# Altium PCB Modified.PcbDoc (part 1 of 3)
Units mm, origin at the board's own origin, x right, y up, seen from the top; angles counter-clockwise.
Board outline 130 x 95 mm, 2 copper layers (Top Layer, Bottom Layer), stack 1.671 mm thick; 165 components, 139 nets, 629 pads, 566 vias.
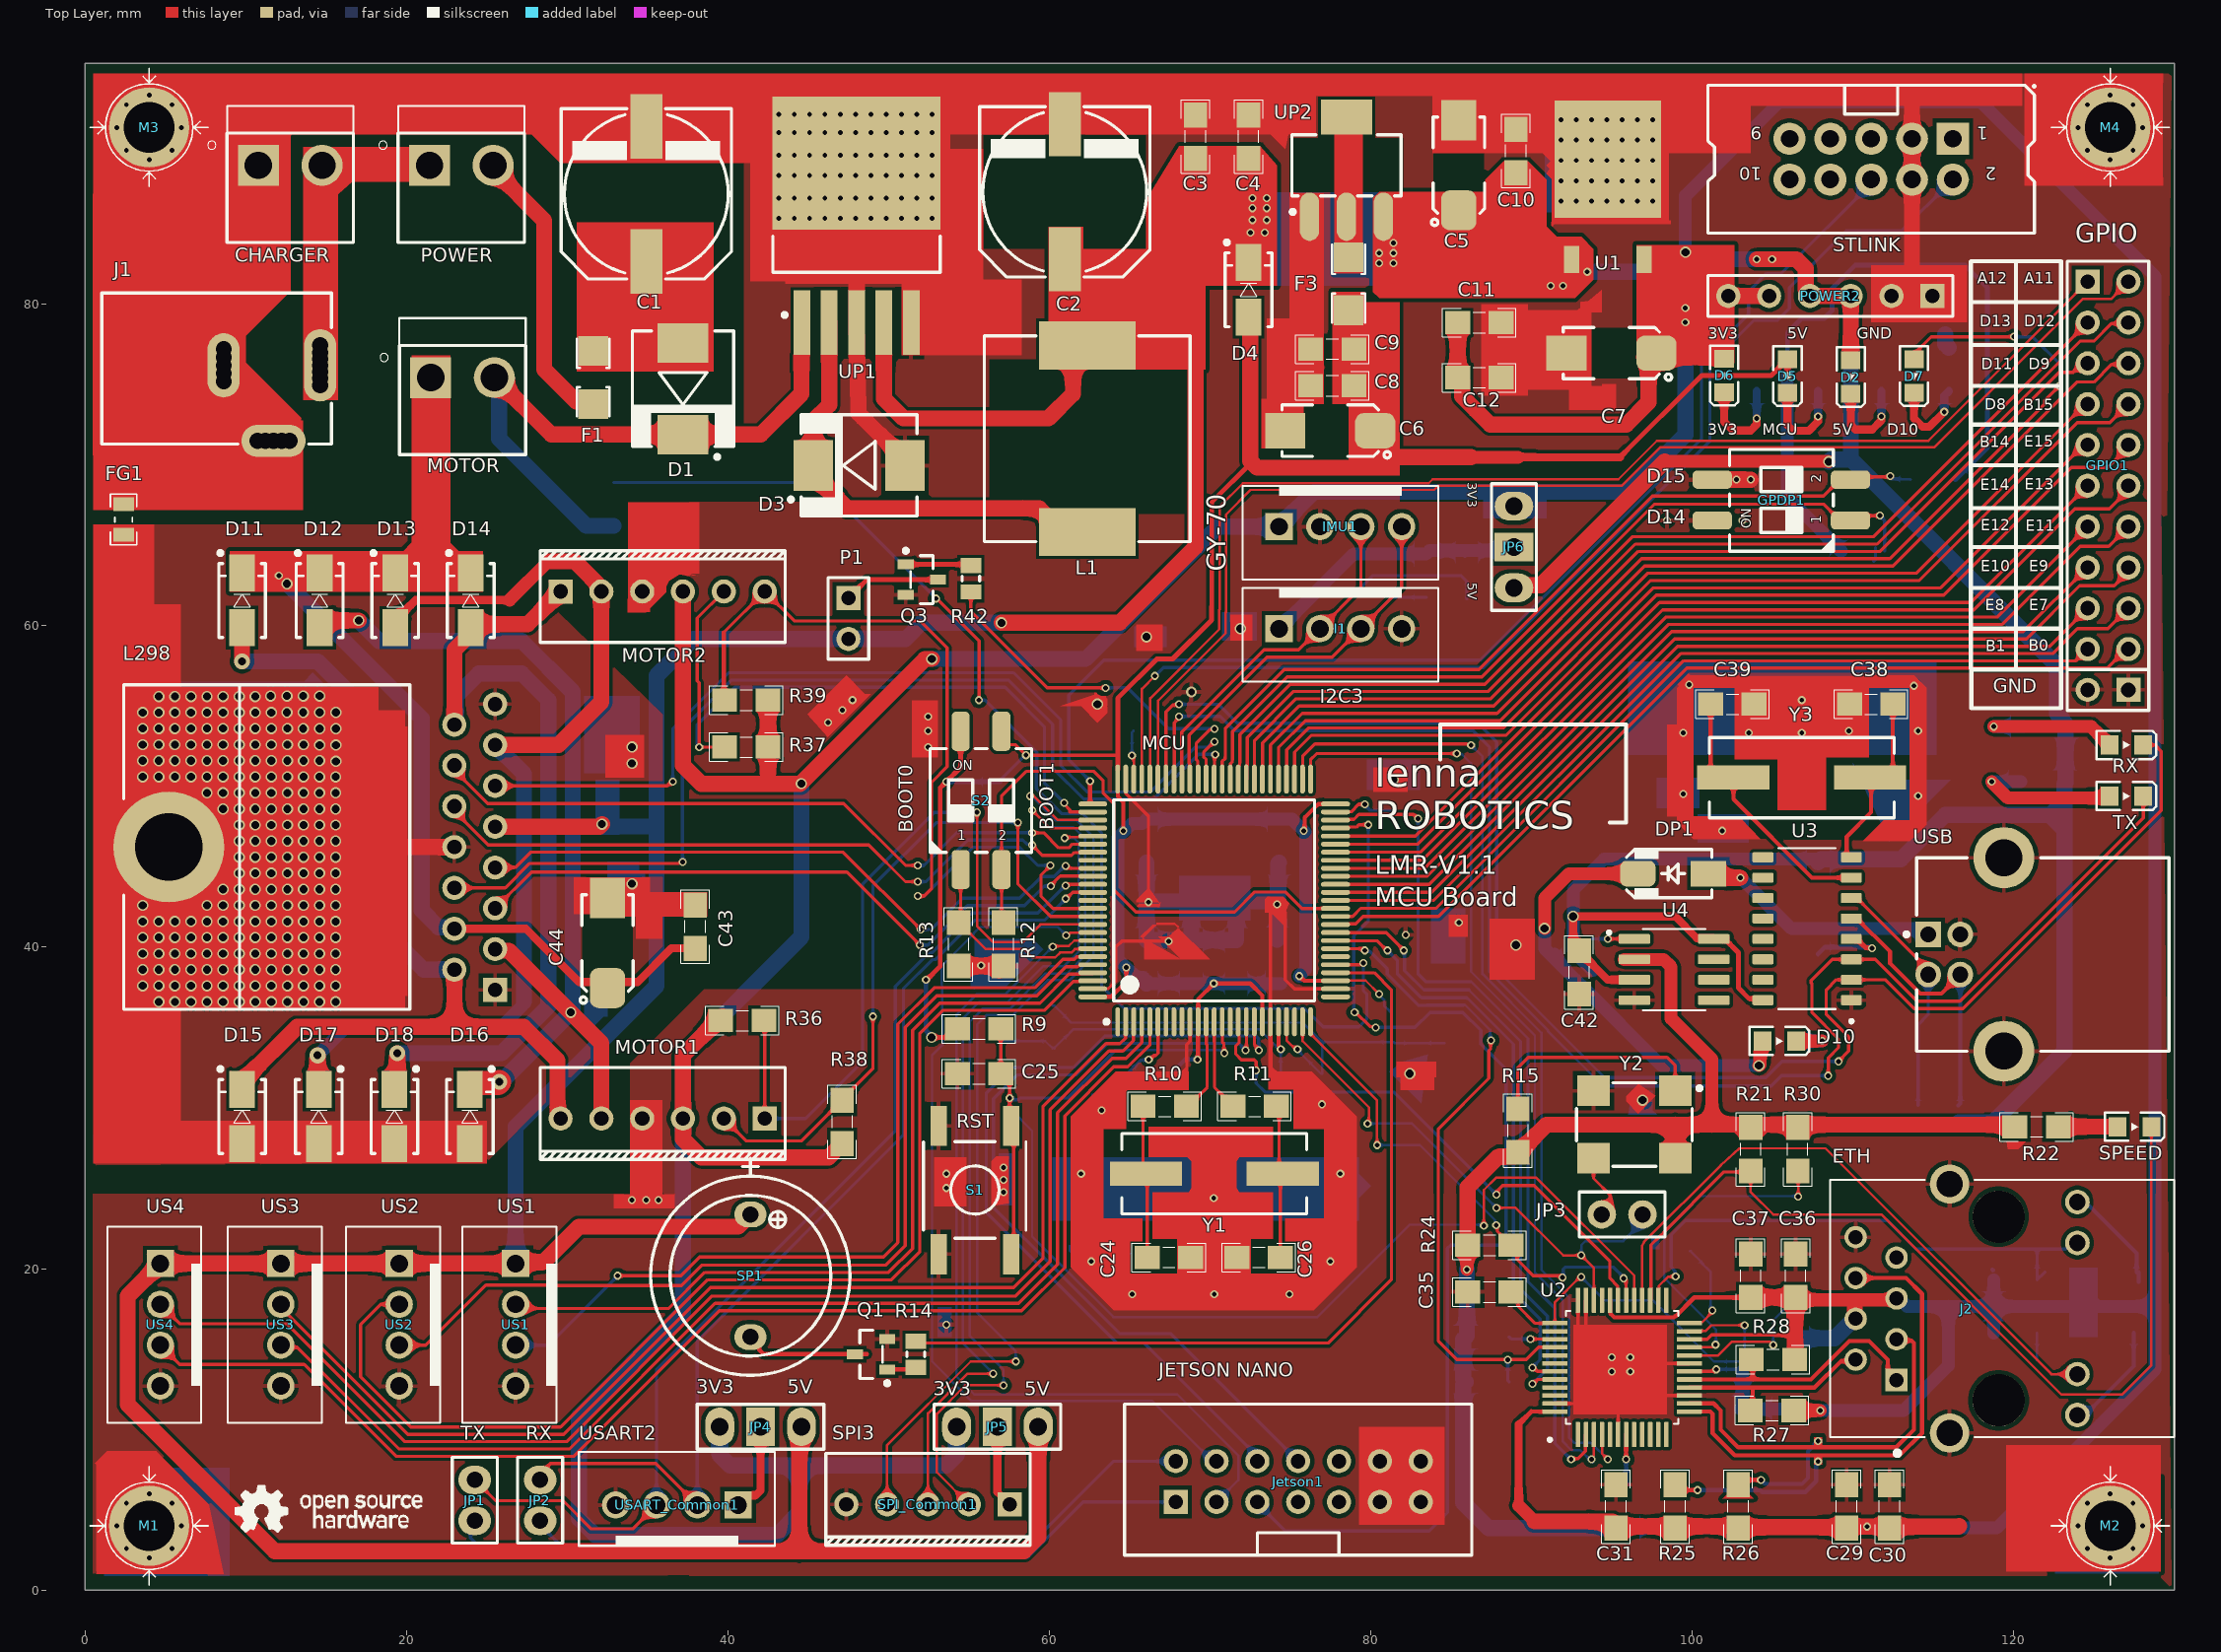
[diagram p0: Top Layer view]
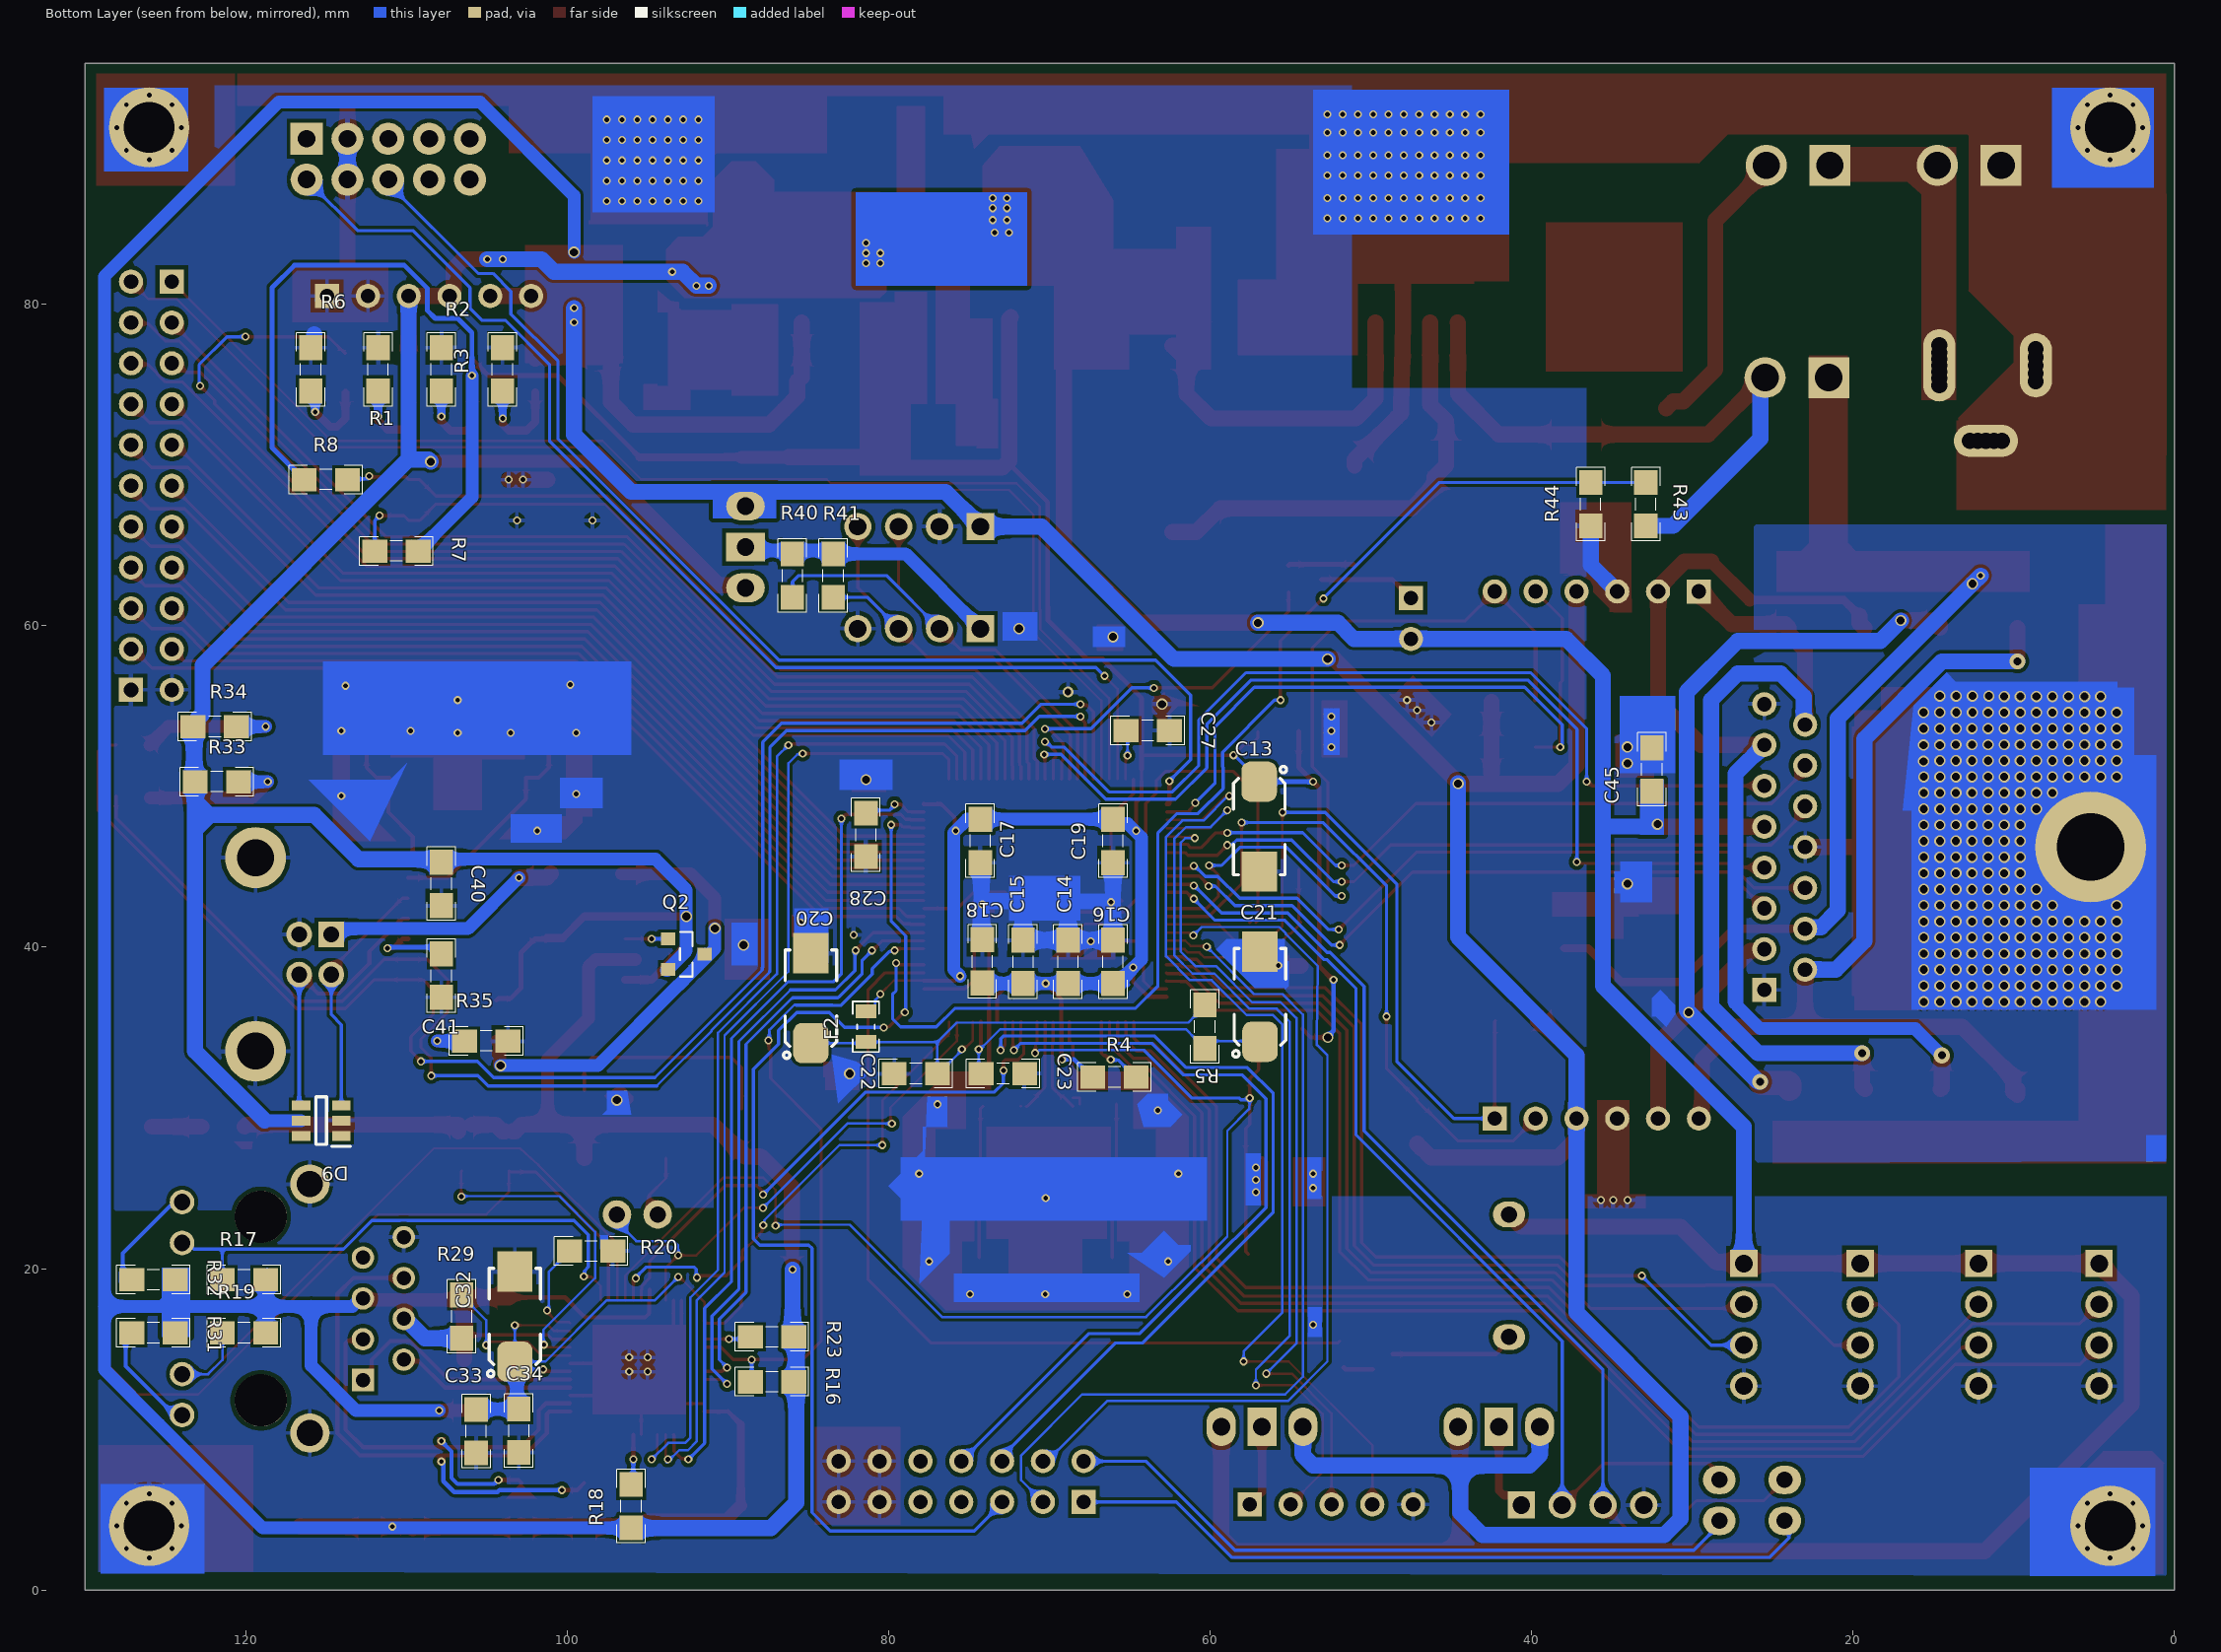
[diagram p1: Bottom Layer view, seen from below]
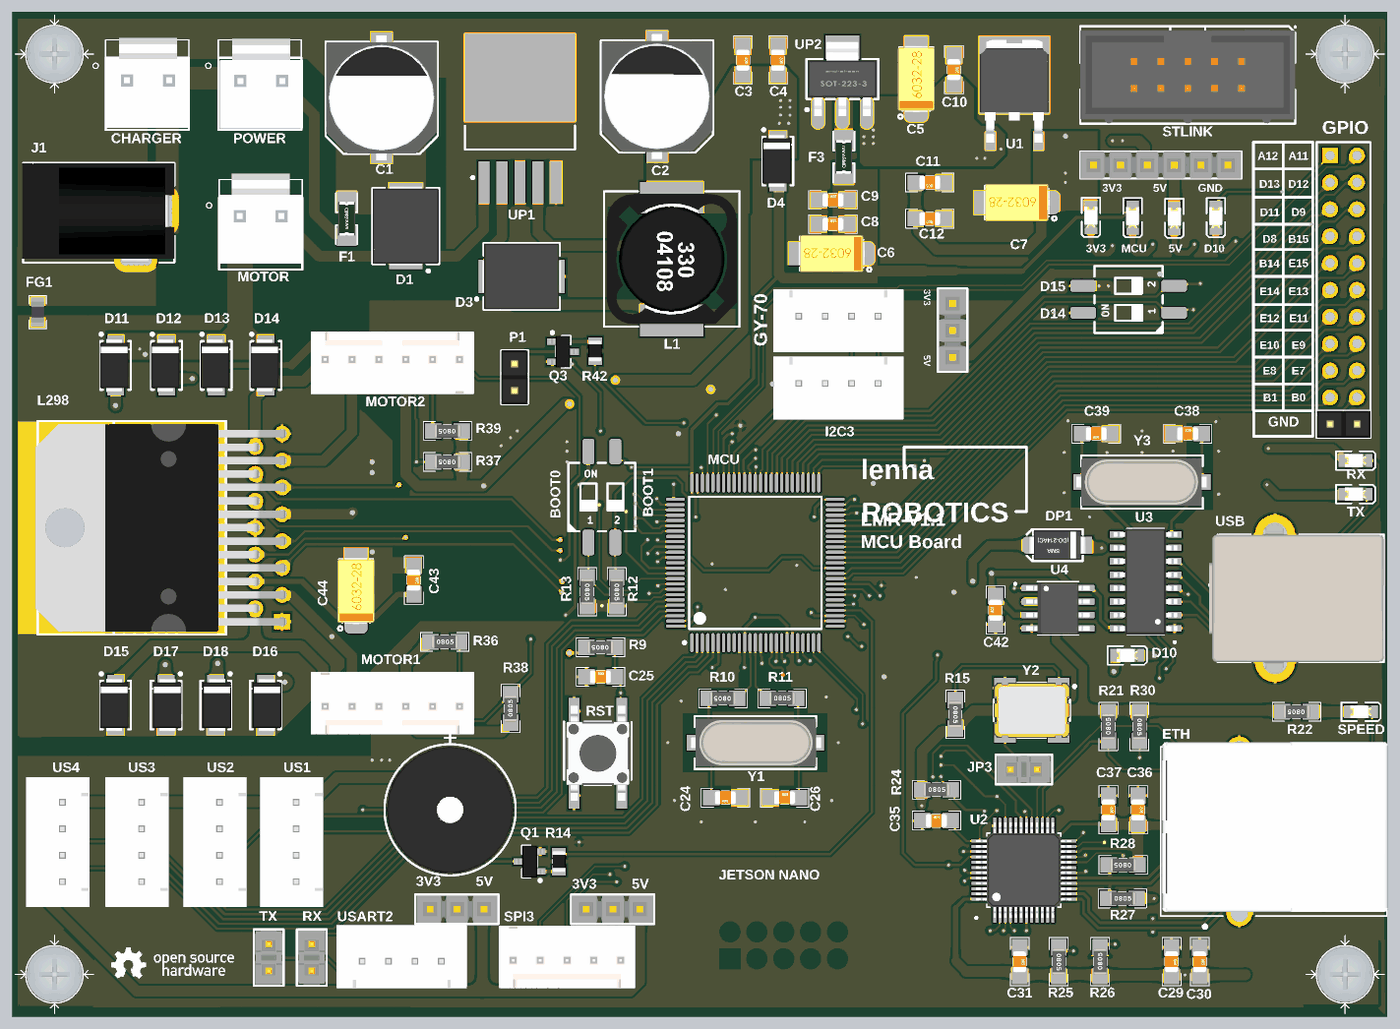
[diagram p4: 3D render of the assembled board from above, using the file's embedded part models]
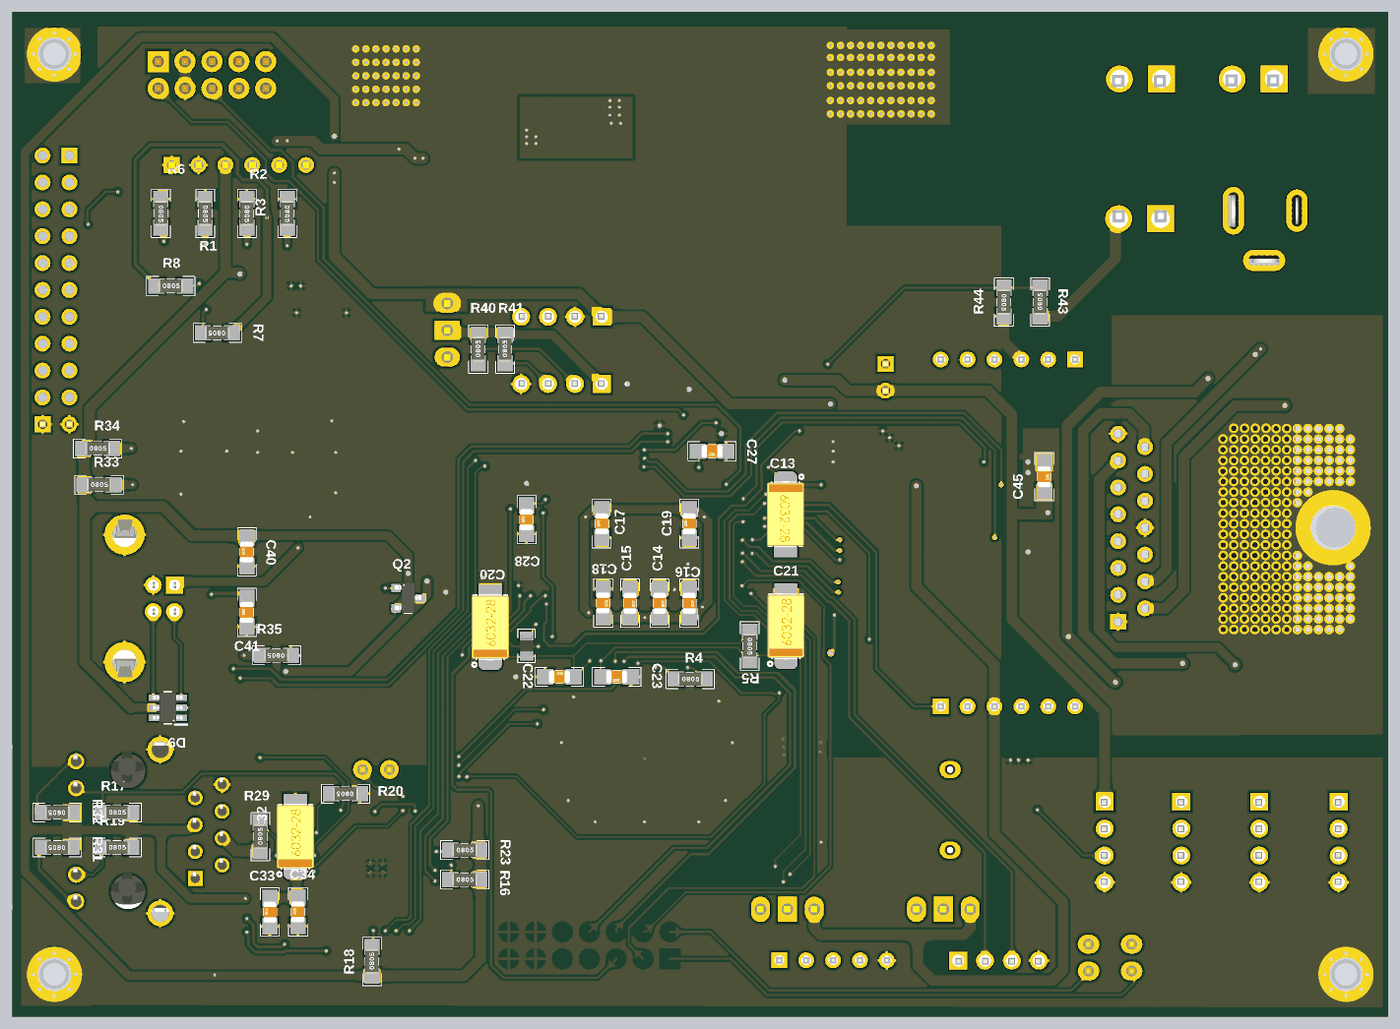
[diagram p5: 3D render of the assembled board from below, using the file's embedded part models]

## Layer stack, top to bottom
Top Solder: solder mask 0.0102, Solder Resist, Dk 3.5
Top Layer: signal copper 0.0356
Dielectric 1: dielectric 1.6, FR-4, Dk 4.8
Bottom Layer: signal copper 0.0356
Bottom Solder: solder mask 0.0102, Solder Resist, Dk 3.5

## Board outline
0,0 0,95 130,95 130,0

## Design rules (kind name [scope] priority, off if disabled: settings)
Clearance [All] p1: gap=0.254 ignorepadtopadclearanceinfootprint=FALSE except(0: Arc-Hole Track-Hole SMDPad-Hole THPad-Hole Via-Hole Fill-Hole Poly-Hole Region-Hole Text-Hole; 0.127: SMDPad-SMDPad; 0.17: Arc-SMDPad Track-SMDPad; 0.2: Arc-Fill Arc-Poly Arc-Region Track-Fill Track-Poly Track-Region SMDPad-Fill SMDPad-Poly SMDPad-Region)
DiffPairsRouting [All] p1: maxlimit=0.254 minlimit=0.254 mostfreqgap=0.254 toplayer_minwidth=0.254 toplayer_maxwidth=0.381 toplayer_prefwidth=0.254 bottomlayer_minwidth=0.254 bottomlayer_maxwidth=0.381 bottomlayer_prefwidth=0.254 maxuncoupledlength=12.7
PolygonConnect [All] p1: connectstyle=Relief reliefconductorwidth=0.254 reliefentries=4 polygonreliefangle="90 Angle" airgapwidth=0.254
RoutingVias [All] p1: holewidth=0.3 width=0.5 viastyle="Through Hole" minholewidth=0.2 minwidth=0.4 maxholewidth=0.711 maxwidth=1
SolderMaskExpansion [All] p1: expansion=0.102 istentingtop=FALSE
Width [All] p1: maxlimit=3 minlimit=0.15 preferedwidth=0.254 minimp=50.000000 maximp=50.000000 favimp=50.000000
29 further rules are at their usual default settings.

## Classes and differential pairs
component class Prepherals: I1 IMU1 JP4 JP5 JP6 R40 R41 SPI_Common1 US1 US2 US3 US4 USART_Common1
component class L298: C43 C44 C45 D11 D12 D13 D14 D15 D16 D17 D18 L298 MOTOR MOTOR1 MOTOR2 R36 R37 R38 R39
component class USB2Serial: C38 C39 C40 C41 C42 D9 D10 DP1 Q2 R33 R34 R35 RX TX U3 U4 USB Y3
component class Power_1: C1 C2 C3 C4 C5 C6 C7 C8 C9 C10 C11 C12 CHARGER D1 D2 D3 D4 D5 D6 F1 F3 FG1 J1 L1 M1 M2 M3 M4 POWER R1 R2 R3 U1 UP1 UP2
component class Micro: C13 C14 C15 C16 C17 C18 C19 C20 C21 C22 C23 C24 C25 C26 C27 C28 D7 F2 GND GPDP1 GPIO1 Jetson1 JP1 JP2 MCU P1 POWER2 Q1 Q3 R4 R5 R6 R7 R8 R9 R10 R11 R12 R13 R14 R42 R43 R44 S1 S2 SP1 STLINK Y1
component class ETHERNET: C29 C30 C31 C32 C33 C34 C35 C36 C37 ETH J2 JP3 R15 R16 R17 R18 R19 R20 R21 R22 R23 R24 R25 R26 R27 R28 R29 R30 R31 R32 SPEED U2 Y2
differential pair TD: +TD_P -TD_N
differential pair RD: +RD_P -RD_N

## Components (designator, comment, footprint, x,y, rotation, side; value= is the part's Value field where it differs from the comment)
C1 "100uF" C_EL_10_10 34.925,86.868 r90 top
C2 "100uF" C_EL_10_10 60.96,86.995 r90 top
C3 "0.1uF" CAPC3413X12N 69.088,90.424 r270 top
C4 "10nF" CAPC3413X12N 72.39,90.424 r270 top
C5 "10uF" C_TN_6032 85.471,88.646 r90 top
C6 "10uF" C_TN_6032 77.47,72.136 r180 top
C7 "2.2uF" C_TN_6032 94.963,76.962 r180 top
C8 "0.1uF" CAPC3413X12N 77.597,74.93 r0 top
C9 "10nF" CAPC3413X12N 77.597,77.216 r0 top
C10 "0.1uF" CAPC3413X12N 89.027,89.535 r270 top
C11 "0.1uF" CAPC3413X12N 86.752,78.858 r180 top
C12 "10nF" CAPC3413X12N 86.752,75.438 r180 top
C13 "10uF" C_TN_6032 56.946,47.498 r270 bottom
C14 "0.1uF" CAPC3413X12N 68.834,39.091 r270 bottom
C15 "0.1uF" CAPC3413X12N 71.628,39.091 r270 bottom
C16 "0.1uF" CAPC3413X12N 66.04,39.091 r270 bottom
C17 "0.1uF" CAPC3413X12N 74.295,46.609 r90 bottom
C18 "0.1uF" CAPC3413X12N 74.168,39.116 r270 bottom
C19 "0.1uF" CAPC3413X12N 66.04,46.609 r90 bottom
C20 "1uF" C_TN_6032 84.836,36.83 r90 bottom
C21 "1uF" C_TN_6032 56.896,36.916 r90 bottom
C22 "0.1uF" CAPC3413X12N 78.302,32.131 r180 bottom
C23 "0.1uF" CAPC3413X12N 72.888,32.131 r0 bottom
C24 "22pF" CAPC3413X12N 67.437,20.701 r180 top
C25 "0.1uF" CAPC3413X12N 55.626,32.131 r0 top
C26 "22pF" CAPC3413X12N 73.025,20.701 r0 top
C27 "2.2uF" CAPC3413X12N 63.881,53.467 r0 bottom
C28 "2.2uF" CAPC3413X12N 81.407,46.99 r90 bottom
C29 "0.1uF" CAPC3413X12N 109.601,5.207 r270 top
C30 "0.1uF" CAPC3413X12N 112.268,5.207 r270 top
C31 "0.1uF" CAPC3413X12N 95.25,5.207 r270 top
C32 "10uF" C_TN_6032 103.251,17.018 r90 bottom
C33 "0.1uF" CAPC3413X12N 105.655,9.89 r90 bottom
C34 "0.1uF" CAPC3413X12N 102.997,9.918 r90 bottom
C35 "0.1uF" CAPC3413X12N 87.376,18.542 r0 top
C36 "0.1uF" CAPC3413X12N 106.426,19.558 r270 top
C37 "0.1uF" CAPC3413X12N 103.632,19.558 r270 top
C38 "22pF" CAPC3413X12N 111.125,55.118 r0 top
C39 "22pF" CAPC3413X12N 102.489,55.118 r180 top
C40 "0.1uF" CAPC3413X12N 107.823,43.942 r90 bottom
C41 "10nF" CAPC3413X12N 107.823,38.227 r90 bottom
C42 "0.1uF" CAPC3413X12N 92.964,38.434 r90 top
C43 "0.1uF" CAPC3413X12N 37.973,41.275 r270 top
C44 "220uF" C_TN_6032 32.512,40.259 r90 top
C45 "0.1uF" CAPC3413X12N 32.512,51.054 r270 bottom
CHARGER "Charger" JST_B2P-VH(LF)(SN) 12.775,88.646 r0 top
D1 "1n5822" DO-214AB(SMC) 37.211,74.747 r270 top
D2 "LED SMD PACKAGE" LED_SMD_0805 109.855,75.472 r90 top
D3 "1n5822" DO-214AB(SMC) 48.168,69.977 r180 top
D4 "1n4007" DIOM4629X24N 72.39,80.899 r90 top
D5 "LED SMD PACKAGE" LED_SMD_0805 105.918,75.531 r90 top
D6 "LED SMD PACKAGE" LED_SMD_0805 101.981,75.565 r90 top
D7 "LED SMD PACKAGE" LED_SMD_0805 113.792,75.531 r90 top
D9 "SRV05-4.TCT" SOT95P280X145-6N 115.296,29.21 r0 bottom
D10 "LED SMD PACKAGE" LED_SMD_0805 105.41,34.163 r180 top
D11 "1n4007" DIOM4629X24N 9.779,61.571 r90 top
D12 "1n4007" DIOM4629X24N 14.605,61.571 r90 top
D13 "1n4007" DIOM4629X24N 19.304,61.571 r90 top
D14 "1n4007" DIOM4629X24N 24.003,61.571 r90 top
D15 "1n4007" DIOM4629X24N 9.779,29.464 r90 top
D16 "1n4007" DIOM4629X24N 23.953,29.464 r90 top
D17 "1n4007" DIOM4629X24N 14.555,29.464 r90 top
D18 "1n4007" DIOM4629X24N 19.254,29.464 r90 top
DP1 "1N5819" 430X270D 98.806,44.577 r180 top
F1 "F=3A" "1206 FUSE" 31.623,75.438 r90 top
F2 "Ferrite Bead SMD" FB0805 81.407,35.052 r90 bottom
F3 "F=3A" "1206 FUSE" 78.613,81.281 r270 top
FG1 "Ferrite Bead SMD" FB0805 2.413,66.609 r90 top
GND "Header 2" HDR1X2 127.127,56.007 r180 top
GPDP1 "SW_DIP_02" SMV_DIP_CTS-219-02 105.537,67.818 r90 top
GPIO1 "Header 10X2" HDR2X10 124.587,81.407 r270 top
I1 "I2C_Dev" "XH Connector 4-Pin" 74.295,59.817 r0 top locked
IMU1 "GY-80" "XH Connector 4-Pin" 74.295,66.167 r0 top
J1 "DC Power Jack" "DC Power Jack 1" 14.636,77 r0 top locked
J2 "HR911105A" HANRUN_HR911105A 119.052,17.517 r270 top locked
Jetson1 "IDC 7X2" "IDC 7X2" -9.484,-19.285 r0 top locked
JP1 "Jumper" "Jumper Small - 2.54 - GRAY"#1 24.257,5.588 r270 top
JP2 "Jumper" "Jumper Small - 2.54 - GRAY"#1 28.321,5.588 r90 top
JP3 "Jumper" "Jumper Small - 2.54 - GRAY"#2 95.631,23.368 r180 top
JP4 "Jumper" "jumper selector" 39.497,10.16 r0 top
JP5 "Jumper" "jumper selector" 54.229,10.16 r0 top
JP6 "Jumper" "jumper selector" 88.9,67.437 r270 top
L1 "100uH" L_12 62.357,71.628 r90 top
L298 "L298N" Multiwatt15H 15.372,46.228 r90 top locked
M1 "Screw" "Board Screw 3mm"#1 4,4 r0 top
M2 "Screw" "Board Screw 3mm"#2 126,4 r0 top
M3 "Screw" "Board Screw 3mm"#2 4,91 r0 top
M4 "Screw" "Board Screw 3mm"#2 126,91 r0 top
MCU "STM32F407VGT6" STM-LQFP100_N 70.252,42.909 r90 top locked
MOTOR "Connector_M" JST_B2P-VH(LF)(SN) 23.495,75.438 r0 top
MOTOR1 "Motor1" "MO-Header 6" 66.167,41.402 r180 top locked
MOTOR2 "Motor2" "MO-Header 6" 5.715,50.066 r0 top locked
P1 "Header 2" HDR1X2 47.498,61.722 r270 top